# Allegro board TubiiPCB_V6.brd (continued)
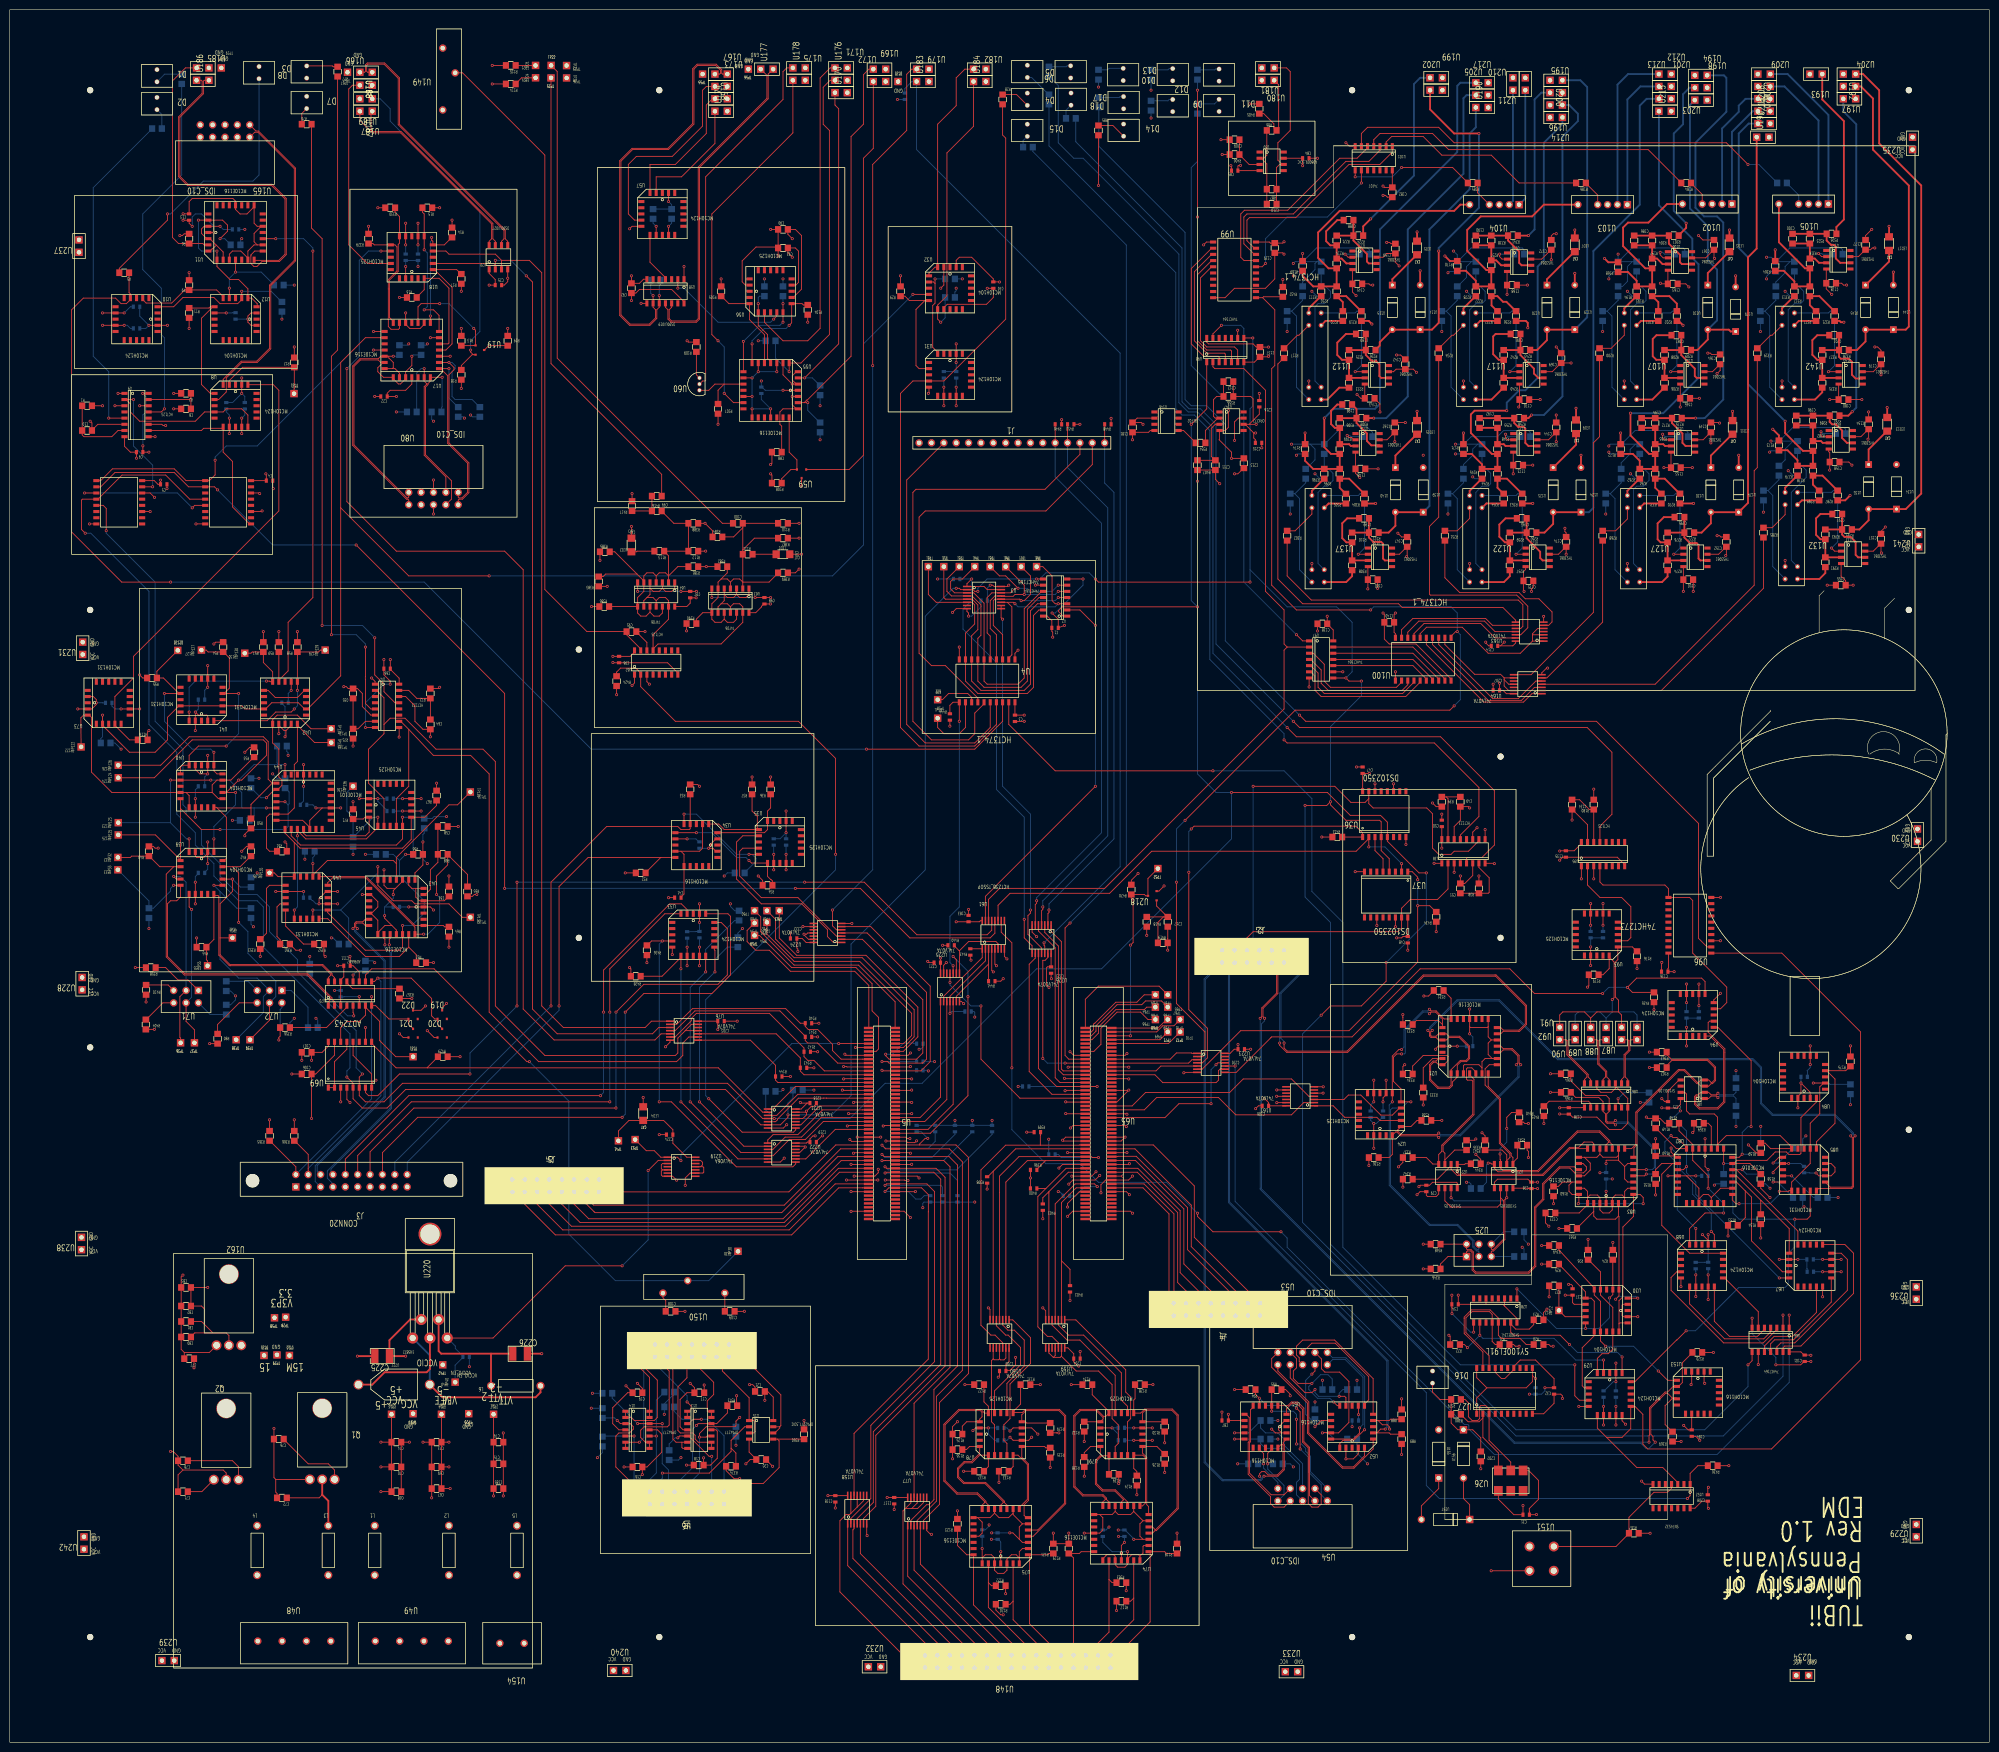
[diagram p0: board, top side]
## Routing (per net, layer and track width the routed paths; a pad name or vN(x,y) marks a point on that pad's centre or on a via; arc(x,y) is an arc through that point) (continued)
; D16.1 292.6,76.7 ; D16.1 291.6,76.7 ; U204.2 379.64,337.99 ; U204.2 378.29,337.99 ; U204.2 378.29,336.64 ; U204.2 379.64,336.64 ; 190.74,298.84 v1(191.13,298.45) ; v1(191.13,298.45) 190.74,298.06 ; v1(191.13,298.45) 191.53,298.06 ; v1(191.13,298.45) 191.53,298.84 ; 171.28,337.91 U170.2 ; U170.2 172.63,339.26 ; U170.2 171.28,339.26 ; U170.2 172.63,337.91 ; v1(53.34,127.76) 53.73,127.37 ; v1(53.34,127.76) 53.73,128.16 ; v1(53.34,127.76) 52.95,128.16 ; v1(53.34,127.76) 52.95,127.37 ; v1(138.95,56.89) 139.34,56.49 ; v1(138.95,56.89) 138.55,57.28 ; v1(138.95,56.89) 138.55,56.49 ; v1(138.95,56.89) 139.34,57.28 ; v1(184.91,138.68) 185.31,139.08 ; v1(184.91,138.68) 184.52,139.08 ; v1(184.91,138.68) 185.31,138.29 ; v1(184.91,138.68) 184.52,138.29 ; D2.1 30.72,338.09 ; D2.1 29.73,337.1 ; D2.1 30.72,337.1 ; D2.1 29.73,338.09 ; v1(373.13,237.49) 373.52,237.88 ; v1(373.13,237.49) 373.52,237.1 ; v1(373.13,237.49) 372.73,237.88 ; v1(373.13,237.49) 372.73,237.1 ; 345.27,341.46 U203.2 ; U203.2 346.62,341.46 ; U203.2 345.27,342.81 ; U203.2 346.62,342.81 ; v1(62.87,148.59) 63.26,148.98 ; v1(62.87,148.59) 62.47,148.98 ; v1(62.87,148.59) 63.26,148.2 ; v1(62.87,148.59) 62.47,148.2 ; U149.1 89.57,335.7 ; U149.1 88.23,334.35 ; U149.1 89.57,334.35 ; U149.1 88.23,335.7 ; v1(265.94,268.73) 266.33,269.13 ; v1(265.94,268.73) 265.54,269.13 ; v1(265.94,268.73) 265.54,268.34 ; v1(265.94,268.73) 266.33,268.34 ; 151.5,73.8 v1(151.89,73.41) ; v1(151.89,73.41) 152.29,73.8 ; v1(151.89,73.41) 151.5,73.01 ; v1(151.89,73.41) 152.29,73.01 ; 35.17,95.49 v1(35.56,95.88) ; v1(35.56,95.88) 35.95,95.49 ; v1(35.56,95.88) 35.17,96.28 ; v1(35.56,95.88) 35.95,96.28 ; 236.59,176.15 v1(236.98,175.75) ; v1(236.98,175.75) 237.38,176.15 ; v1(236.98,175.75) 237.38,175.36 ; v1(236.98,175.75) 236.59,175.36 ; 202.46,15.98 U148.20 ; U148.20 203.81,15.98 ; U148.20 202.46,14.63 ; U148.20 203.81,14.63 ; 338.77,129.83 v1(339.17,130.22) ; v1(339.17,130.22) 339.56,130.62 ; v1(339.17,130.22) 339.56,129.83 ; v1(339.17,130.22) 338.77,130.62 ; D9.2 239.26,334.19 ; D9.2 239.26,335.18 ; D9.2 238.26,334.19 ; D9.2 238.26,335.18 ; 360.29,300.75 v1(360.68,300.36) ; v1(360.68,300.36) 361.07,299.96 ; v1(360.68,300.36) 361.07,300.75 ; v1(360.68,300.36) 360.29,299.96 ; 137.4,235.83 v1(137.8,236.22) ; v1(137.8,236.22) 138.19,235.83 ; v1(137.8,236.22) 137.4,236.61 ; v1(137.8,236.22) 138.19,236.61 ; 390.99,188.13 U230.2 ; U230.2 390.99,186.78 ; U230.2 392.34,188.13 ; U230.2 392.34,186.78 ; 217.39,338.01 D17.1 ; D17.1 218.38,338.01 ; D17.1 218.38,339 ; D17.1 217.39,339 ; v1(315.17,72.77) 315.56,72.37 ; v1(315.17,72.77) 315.56,73.16 ; v1(315.17,72.77) 314.77,72.37 ; v1(315.17,72.77) 314.77,73.16 ; v1(315.98,105.92) 316.37,105.52 ; v1(315.98,105.92) 315.58,105.52 ; v1(315.98,105.92) 315.58,106.31 ; v1(315.98,105.92) 316.37,106.31 ; v1(213.87,156.72) 214.26,157.11 ; v1(213.87,156.72) 213.47,157.11 ; v1(213.87,156.72) 214.26,156.32 ; v1(213.87,156.72) 213.47,156.32 ; J3.19 82.27,113.31 ; J3.19 82.27,114.66 ; J3.19 80.92,113.31 ; J3.19 80.92,114.66 ; 350.84,173.01 v1(351.23,173.4) ; v1(351.23,173.4) 350.84,173.8 ; v1(351.23,173.4) 351.62,173.8 ; v1(351.23,173.4) 351.62,173.01 ; v1(62.87,191.77) 63.26,191.38 ; v1(62.87,191.77) 62.47,191.38 ; v1(62.87,191.77) 63.26,192.16 ; v1(62.87,191.77) 62.47,192.16 ; v1(184.91,107.7) 185.31,107.3 ; v1(184.91,107.7) 184.52,108.09 ; v1(184.91,107.7) 185.31,108.09 ; v1(184.91,107.7) 184.52,107.3 ; 320.64,298.41 321.31,299.08 ; 321.31,299.08 320.64,299.76 ; 321.31,299.08 321.98,299.76 ; 321.31,299.08 321.98,298.41 ; v1(318.21,128.95) 318.6,129.35 ; v1(318.21,128.95) 317.82,129.35 ; v1(318.21,128.95) 317.82,128.56 ; v1(318.21,128.95) 318.6,128.56 ; U208.2 362.12,334.1 ; U208.2 360.77,334.1 ; U208.2 360.77,335.45 ; U208.2 362.12,335.45 ; 102.51,114.83 J5.2 ; J5.2 103.86,114.83 ; J5.2 102.51,116.18 ; J5.2 103.86,116.18 ; 85.97,205.98 v1(86.36,206.38) ; v1(86.36,206.38) 86.75,205.98 ; v1(86.36,206.38) 85.97,206.77 ; v1(86.36,206.38) 86.75,206.77 ; v1(382.27,310.51) 382.66,310.12 ; v1(382.27,310.51) 382.66,310.91 ; v1(382.27,310.51) 381.88,310.91 ; v1(382.27,310.51) 381.88,310.12 ; 345.3,253.88 v1(345.69,254.27) ; v1(345.69,254.27) 345.3,254.66 ; v1(345.69,254.27) 346.09,254.66 ; v1(345.69,254.27) 346.09,253.88 ; v1(229.36,121.03) 229.76,120.64 ; v1(229.36,121.03) 228.97,120.64 ; v1(229.36,121.03) 229.76,121.42 ; v1(229.36,121.03) 228.97,121.42 ; 376.72,298.69 v1(377.11,299.08) ; v1(377.11,299.08) 377.5,299.48 ; v1(377.11,299.08) 377.5,298.69 ; v1(377.11,299.08) 376.72,299.48 ; 286.25,183.88 v1(286.64,184.28) ; v1(286.64,184.28) 287.03,183.88 ; v1(286.64,184.28) 286.25,184.67 ; v1(286.64,184.28) 287.03,184.67 ; TP29.1 55.54,78.83 ; TP29.1 54.19,78.83 ; TP29.1 54.19,80.18 ; TP29.1 55.54,80.18 ; 13.55,307.68 U237.2 ; U237.2 14.9,307.68 ; U237.2 14.9,309.03 ; U237.2 13.55,309.03 ; U191.2 361.86,328.76 ; U191.2 361.86,330.11 ; U191.2 360.51,328.76 ; U191.2 360.51,330.11 ; v1(28.83,252.6) 29.22,253 ; v1(28.83,252.6) 28.44,253 ; v1(28.83,252.6) 28.44,252.21 ; v1(28.83,252.6) 29.22,252.21 ; v1(197.74,63.97) 198.13,63.58 ; v1(197.74,63.97) 198.13,64.37 ; v1(197.74,63.97) 197.35,64.37 ; v1(197.74,63.97) 197.35,63.58 ; v1(363.3,99.11) 363.69,99.5 ; v1(363.3,99.11) 362.9,98.71 ; v1(363.3,99.11) 363.69,98.71 ; v1(363.3,99.11) 362.9,99.5 ; 346.49,276.24 v1(346.89,275.84) ; v1(346.89,275.84) 347.28,276.24 ; v1(346.89,275.84) 346.49,275.45 ; v1(346.89,275.84) 347.28,275.45 ; 340.45,334.1 U215.2 ; U215.2 341.8,335.45 ; U215.2 341.8,334.1 ; U215.2 340.45,335.45 ; 347.59,73.27 v1(347.98,73.66) ; v1(347.98,73.66) 348.37,73.27 ; v1(347.98,73.66) 347.59,74.05 ; v1(347.98,73.66) 348.37,74.05 ; 340.45,340.53 U212.2 ; U212.2 341.8,339.18 ; U212.2 341.8,340.53 ; U212.2 340.45,339.18 ; U231.2 15.66,225.13 ; U231.2 15.66,226.48 ; U231.2 14.31,226.48 ; U231.2 14.31,225.13 ; v1(71.37,79.25) 71.77,79.64 ; v1(71.37,79.25) 70.98,79.64 ; v1(71.37,79.25) 70.98,78.85 ; v1(71.37,79.25) 71.77,78.85 ; v1(126.12,56.5) 126.51,56.11 ; v1(126.12,56.5) 126.51,56.9 ; v1(126.12,56.5) 125.73,56.11 ; v1(126.12,56.5) 125.73,56.9 ; 256.15,277.25 v1(256.54,276.86) ; v1(256.54,276.86) 256.15,276.47 ; v1(256.54,276.86) 256.93,276.47 ; v1(256.54,276.86) 256.93,277.25 ; 310.28,48.19 v1(310.67,48.59) ; v1(310.67,48.59) 311.07,48.19 ; v1(310.67,48.59) 310.28,48.98 ; v1(310.67,48.59) 311.07,48.98 ; 197.38,15.98 U148.24 ; U148.24 198.73,15.98 ; U148.24 197.38,14.63 ; U148.24 198.73,14.63 ; v1(59.69,162.56) 60.08,162.95 ; v1(59.69,162.56) 59.3,162.17 ; v1(59.69,162.56) 59.3,162.95 ; v1(59.69,162.56) 60.08,162.17 ; 181.7,341.54 TP18.1 ; TP18.1 183.05,340.19 ; TP18.1 181.7,340.19 ; TP18.1 183.05,341.54 ; 201.21,43.37 v1(201.6,42.98) ; v1(201.6,42.98) 201.99,42.58 ; v1(201.6,42.98) 201.21,42.58 ; v1(201.6,42.98) 201.99,43.37 ; 78.35,173.6 v1(78.74,173.99) ; v1(78.74,173.99) 79.13,174.38 ; v1(78.74,173.99) 78.35,174.38 ; v1(78.74,173.99) 79.13,173.6 ; U199.2 294.81,338.42 ; U199.2 294.81,339.76 ; U199.2 293.46,339.76 ; U199.2 293.46,338.42 ; v1(109.22,79.76) 109.61,79.36 ; v1(109.22,79.76) 108.83,80.15 ; v1(109.22,79.76) 109.61,80.15 ; v1(109.22,79.76) 108.83,79.36 ; v1(33.02,59.69) 33.41,59.3 ; v1(33.02,59.69) 32.63,60.08 ; v1(33.02,59.69) 33.41,60.08 ; v1(33.02,59.69) 32.63,59.3 ; v1(254.52,336.28) 254.92,335.89 ; v1(254.52,336.28) 254.13,335.89 ; v1(254.52,336.28) 254.92,336.67 ; v1(254.52,336.28) 254.13,336.67 ; 324.17,162.85 v1(324.56,163.24) ; v1(324.56,163.24) 324.95,162.85 ; v1(324.56,163.24) 324.17,163.64 ; v1(324.56,163.24) 324.95,163.64 ; 216.78,121.42 v1(217.17,121.03) ; v1(217.17,121.03) 216.78,120.64 ; v1(217.17,121.03) 217.56,121.42 ; v1(217.17,121.03) 217.56,120.64 ; 40.25,198.36 v1(40.64,198.75) ; v1(40.64,198.75) 40.25,199.15 ; v1(40.64,198.75) 41.03,198.36 ; v1(40.64,198.75) 41.03,199.15 ; v1(377.82,255.91) 378.22,256.3 ; v1(377.82,255.91) 377.43,255.51 ; v1(377.82,255.91) 377.43,256.3 ; v1(377.82,255.91) 378.22,255.51 ; 296.42,264.04 v1(296.81,264.43) ; v1(296.81,264.43) 297.21,264.04 ; v1(296.81,264.43) 296.42,264.82 ; v1(296.81,264.43) 297.21,264.82 ; v1(86.61,50.16) 87.01,49.77 ; v1(86.61,50.16) 86.22,50.56 ; v1(86.61,50.16) 87.01,50.56 ; v1(86.61,50.16) 86.22,49.77 ; 331.33,64.88 v1(331.72,65.28) ; v1(331.72,65.28) 332.12,65.67 ; v1(331.72,65.28) 331.33,65.67 ; v1(331.72,65.28) 332.12,64.88 ; v1(216.79,129.03) 217.18,129.43 ; v1(216.79,129.03) 216.4,128.64 ; v1(216.79,129.03) 216.4,129.43 ; v1(216.79,129.03) 217.18,128.64 ; 86.6,259.47 v1(87,259.08) ; v1(87,259.08) 87.39,258.69 ; v1(87,259.08) 87.39,259.47 ; v1(87,259.08) 86.6,258.69 ; 74.28,285.36 v1(74.68,285.75) ; v1(74.68,285.75) 74.28,286.14 ; v1(74.68,285.75) 75.07,285.36 ; v1(74.68,285.75) 75.07,286.14 ; 336.38,43.29 v1(336.77,42.9) ; v1(336.77,42.9) 337.17,42.5 ; v1(336.77,42.9) 336.38,42.5 ; v1(336.77,42.9) 337.17,43.29 ; v1(76.81,222.22) 77.2,222.62 ; v1(76.81,222.22) 76.42,222.62 ; v1(76.81,222.22) 77.2,221.83 ; v1(76.81,222.22) 76.42,221.83 ; v1(156.61,56.64) 157,57.04 ; v1(156.61,56.64) 156.22,56.25 ; v1(156.61,56.64) 157,56.25 ; v1(156.61,56.64) 156.22,57.04 ; v1(119.4,68.56) 119.79,68.96 ; v1(119.4,68.56) 119,68.17 ; v1(119.4,68.56) 119,68.96 ; v1(119.4,68.56) 119.79,68.17 ; v1(120.65,58.42) 121.04,58.81 ; v1(120.65,58.42) 121.04,58.03 ; v1(120.65,58.42) 120.26,58.03 ; v1(120.65,58.42) 120.26,58.81 ; 193.92,287.41 v1(194.31,287.02) ; v1(194.31,287.02) 194.7,287.41 ; v1(194.31,287.02) 193.92,286.63 ; v1(194.31,287.02) 194.7,286.63 ; v1(332.1,297.81) 332.5,298.21 ; v1(332.1,297.81) 331.71,298.21 ; v1(332.1,297.81) 332.5,297.42 ; v1(332.1,297.81) 331.71,297.42 ; v1(262.89,252.1) 263.28,251.7 ; v1(262.89,252.1) 262.5,251.7 ; v1(262.89,252.1) 263.28,252.49 ; v1(262.89,252.1) 262.5,252.49 ; v1(289.31,114.05) 289.7,113.65 ; v1(289.31,114.05) 288.91,113.65 ; v1(289.31,114.05) 288.91,114.44 ; v1(289.31,114.05) 289.7,114.44 ; 162.18,257.43 v1(162.57,257.82) ; v1(162.57,257.82) 162.18,258.22 ; v1(162.57,257.82) 162.97,258.22 ; v1(162.57,257.82) 162.97,257.43 ; 172.83,131.71 v1(173.23,131.32) ; v1(173.23,131.32) 172.83,130.92 ; v1(173.23,131.32) 173.62,130.92 ; v1(173.23,131.32) 173.62,131.71 ; v1(169.49,48.08) 169.89,48.48 ; v1(169.49,48.08) 169.1,48.48 ; v1(169.49,48.08) 169.1,47.69 ; v1(169.49,48.08) 169.89,47.69 ; 159.88,165.72 v1(160.27,166.12) ; v1(160.27,166.12) 159.88,166.51 ; v1(160.27,166.12) 160.67,165.72 ; v1(160.27,166.12) 160.67,166.51 ; v1(317.5,309.63) 317.89,310.02 ; v1(317.5,309.63) 317.11,310.02 ; v1(317.5,309.63) 317.89,309.23 ; v1(317.5,309.63) 317.11,309.23 ; 310.48,342.3 U210.2 ; U210.2 311.82,342.3 ; U210.2 311.82,340.96 ; U210.2 310.48,340.96 ; 376.16,291.86 v1(376.55,291.47) ; v1(376.55,291.47) 376.95,291.86 ; v1(376.55,291.47) 376.16,291.07 ; v1(376.55,291.47) 376.95,291.07 ; 381.24,272.66 v1(381.63,273.05) ; v1(381.63,273.05) 382.03,272.66 ; v1(381.63,273.05) 381.24,273.44 ; v1(381.63,273.05) 382.03,273.44 ; v1(229.74,138.56) 230.14,138.16 ; v1(229.74,138.56) 229.35,138.16 ; v1(229.74,138.56) 229.35,138.95 ; v1(229.74,138.56) 230.14,138.95 ; v1(51.82,252.73) 52.21,252.34 ; v1(51.82,252.73) 51.42,252.34 ; v1(51.82,252.73) 51.42,253.12 ; v1(51.82,252.73) 52.21,253.12 ; 152.01,274.08 v1(152.4,273.69) ; v1(152.4,273.69) 152.79,274.08 ; v1(152.4,273.69) 152.79,273.29 ; v1(152.4,273.69) 152.01,273.29 ; 259.71,132.98 v1(260.1,132.58) ; v1(260.1,132.58) 260.49,132.98 ; v1(260.1,132.58) 260.49,132.19 ; v1(260.1,132.58) 259.71,132.19 ; 317.11,286.78 v1(317.5,286.38) ; v1(317.5,286.38) 317.89,285.99 ; v1(317.5,286.38) 317.11,285.99 ; v1(317.5,286.38) 317.89,286.78 ; 366.71,98.71 v1(367.11,99.11) ; v1(367.11,99.11) 367.5,99.5 ; v1(367.11,99.11) 367.5,98.71 ; v1(367.11,99.11) 366.71,99.5 ; 29.73,343.81 D1.1 ; D1.1 29.73,342.82 ; D1.1 30.72,343.81 ; D1.1 30.72,342.82 ; 229.35,135.75 v1(229.74,136.14) ; v1(229.74,136.14) 230.14,136.54 ; v1(229.74,136.14) 229.35,136.54 ; v1(229.74,136.14) 230.14,135.75 ; v1(47.62,280.04) 48.02,280.43 ; v1(47.62,280.04) 47.23,280.43 ; v1(47.62,280.04) 48.02,279.64 ; v1(47.62,280.04) 47.23,279.64 ; v1(142.57,73.33) 142.97,72.93 ; v1(142.57,73.33) 142.18,72.93 ; v1(142.57,73.33) 142.97,73.72 ; v1(142.57,73.33) 142.18,73.72 ; 171.28,341.8 U171.2 ; U171.2 172.63,341.8 ; U171.2 172.63,340.45 ; U171.2 171.28,340.45 ; v1(59.96,139.97) 60.35,140.36 ; v1(59.96,139.97) 59.57,140.36 ; v1(59.96,139.97) 60.35,139.58 ; v1(59.96,139.97) 59.57,139.58 ; 386.32,302.15 v1(386.71,301.75) ; v1(386.71,301.75) 386.32,301.36 ; v1(386.71,301.75) 387.11,302.15 ; v1(386.71,301.75) 387.11,301.36 ; 184.52,141.08 v1(184.91,141.48) ; v1(184.91,141.48) 184.52,141.87 ; v1(184.91,141.48) 185.31,141.87 ; v1(184.91,141.48) 185.31,141.08 ; 74.79,135.5 v1(75.18,135.89) ; v1(75.18,135.89) 74.79,136.28 ; v1(75.18,135.89) 75.58,135.5 ; v1(75.18,135.89) 75.58,136.28 ; 250.98,86.89 J4.6 ; J4.6 252.32,88.24 ; J4.6 250.98,88.24 ; J4.6 252.32,86.89 ; v1(150.82,88.45) 151.22,88.84 ; v1(150.82,88.45) 150.43,88.84 ; v1(150.82,88.45) 150.43,88.05 ; v1(150.82,88.45) 151.22,88.05 ; 228.18,332.63 D14.1 ; D14.1 229.17,331.64 ; D14.1 228.18,331.64 ; D14.1 229.17,332.63 ; v1(257.05,265.68) 257.44,266.08 ; v1(257.05,265.68) 256.65,266.08 ; v1(257.05,265.68) 257.44,265.29 ; v1(257.05,265.68) 256.65,265.29 ; 217.31,341.1 D6.1 ; D6.1 217.31,342.09 ; D6.1 218.3,342.09 ; D6.1 218.3,341.1 ; 184.77,130.92 v1(185.17,131.32) ; v1(185.17,131.32) 184.77,131.71 ; v1(185.17,131.32) 185.56,130.92 ; v1(185.17,131.32) 185.56,131.71 ; TP23.1 115,343.47 ; TP23.1 113.65,344.82 ; TP23.1 115,344.82 ; TP23.1 113.65,343.47 ; U180.2 257.72,341.8 ; U180.2 256.37,341.8 ; U180.2 257.72,340.45 ; U180.2 256.37,340.45 ; 148.96,147.61 v1(149.35,148.01) ; v1(149.35,148.01) 149.75,147.61 ; v1(149.35,148.01) 148.96,148.4 ; v1(149.35,148.01) 149.75,148.4 ; U206.2 359.58,341.72 ; U206.2 359.58,343.07 ; U206.2 358.23,343.07 ; U206.2 358.23,341.72 ; 312.28,262.52 v1(312.67,262.13) ; v1(312.67,262.13) 312.28,261.73 ; v1(312.67,262.13) 313.07,262.52 ; v1(312.67,262.13) 313.07,261.73 ; v1(329.75,77.82) 330.14,78.21 ; v1(329.75,77.82) 330.14,77.43 ; v1(329.75,77.82) 329.35,78.21 ; v1(329.75,77.82) 329.35,77.43 ; v1(149.1,60.96) 149.49,61.35 ; v1(149.1,60.96) 148.7,60.57 ; v1(149.1,60.96) 149.49,60.57 ; v1(149.1,60.96) 148.7,61.35 ; 171.56,126.89 v1(171.96,126.49) ; v1(171.96,126.49) 171.56,126.1 ; v1(171.96,126.49) 172.35,126.89 ; v1(171.96,126.49) 172.35,126.1 ; 313.27,114.03 v1(313.66,113.64) ; v1(313.66,113.64) 314.06,113.25 ; v1(313.66,113.64) 313.27,113.25 ; v1(313.66,113.64) 314.06,114.03 ; v1(339.17,160.07) 339.56,159.67 ; v1(339.17,160.07) 338.77,159.67 ; v1(339.17,160.07) 339.56,160.46 ; v1(339.17,160.07) 338.77,160.46 ; v1(219.76,80.21) 220.15,80.61 ; v1(219.76,80.21) 219.37,80.61 ; v1(219.76,80.21) 219.37,79.82 ; v1(219.76,80.21) 220.15,79.82 ; v1(83.82,302.89) 84.21,303.29 ; v1(83.82,302.89) 84.21,302.5 ; v1(83.82,302.89) 83.43,302.5 ; v1(83.82,302.89) 83.43,303.29 ; v1(78.11,217.17) 78.5,216.78 ; v1(78.11,217.17) 77.71,216.78 ; v1(78.11,217.17) 77.71,217.56 ; v1(78.11,217.17) 78.5,217.56 ; v1(299.72,150.5) 300.11,150.89 ; v1(299.72,150.5) 300.11,150.1 ; v1(299.72,150.5) 299.33,150.89 ; v1(299.72,150.5) 299.33,150.1 ; v1(330.71,268.73) 331.1,268.34 ; v1(330.71,268.73) 331.1,269.13 ; v1(330.71,268.73) 330.31,268.34 ; v1(330.71,268.73) 330.31,269.13 ; 31.99,290.44 v1(32.39,290.83) ; v1(32.39,290.83) 31.99,291.22 ; v1(32.39,290.83) 32.78,291.22 ; v1(32.39,290.83) 32.78,290.44 ; 280.53,260.97 v1(280.92,261.37) ; v1(280.92,261.37) 281.32,260.97 ; v1(280.92,261.37) 281.32,261.76 ; v1(280.92,261.37) 280.53,261.76 ; v1(210.82,165.35) 211.21,164.96 ; v1(210.82,165.35) 210.43,165.75 ; v1(210.82,165.35) 210.43,164.96 ; v1(210.82,165.35) 211.21,165.75 ; 273.93,327.9 v1(274.32,328.3) ; v1(274.32,328.3) 274.71,327.9 ; v1(274.32,328.3) 274.71,328.69 ; v1(274.32,328.3) 273.93,328.69 ; 275.83,179.08 v1(276.22,178.69) ; v1(276.22,178.69) 276.62,178.3 ; v1(276.22,178.69) 275.83,178.3 ; v1(276.22,178.69) 276.62,179.08 ; 110.13,116.18 J5.8 ; J5.8 110.13,114.83 ; J5.8 111.48,114.83 ; J5.8 111.48,116.18 ; v1(119.63,71.63) 120.03,72.02 ; v1(119.63,71.63) 120.03,71.23 ; v1(119.63,71.63) 119.24,72.02 ; v1(119.63,71.63) 119.24,71.23 ; 47.23,277.25 v1(47.62,276.86) ; v1(47.62,276.86) 47.23,276.47 ; v1(47.62,276.86) 48.02,276.47 ; v1(47.62,276.86) 48.02,277.25 ; 210.08,14.63 U148.14 ; U148.14 211.43,15.98 ; U148.14 210.08,15.98 ; U148.14 211.43,14.63 ; 307.94,340.96 U211.2 ; U211.2 309.28,340.96 ; U211.2 307.94,342.3 ; U211.2 309.28,342.3 ; J3.3 61.95,114.66 ; J3.3 61.95,113.31 ; J3.3 60.6,113.31 ; J3.3 60.6,114.66 ; 35.19,314.11 v1(35.59,313.72) ; v1(35.59,313.72) 35.98,313.32 ; v1(35.59,313.72) 35.19,313.32 ; v1(35.59,313.72) 35.98,314.11 ; 25.39,159.4 v1(25.78,159) ; v1(25.78,159) 25.39,158.61 ; v1(25.78,159) 26.17,159.4 ; v1(25.78,159) 26.17,158.61 ; U165.6 44.87,328.76 ; U165.6 43.52,330.11 ; U165.6 44.87,330.11 ; U165.6 43.52,328.76 ; v1(171.2,138.68) 171.59,138.29 ; v1(171.2,138.68) 170.8,139.08 ; v1(171.2,138.68) 170.8,138.29 ; v1(171.2,138.68) 171.59,139.08 ; v1(55.25,144.15) 55.64,144.54 ; v1(55.25,144.15) 54.85,143.75 ; v1(55.25,144.15) 55.64,143.75 ; v1(55.25,144.15) 54.85,144.54 ; v1(335.03,53.59) 335.42,53.2 ; v1(335.03,53.59) 334.63,53.2 ; v1(335.03,53.59) 334.63,53.99 ; v1(335.03,53.59) 335.42,53.99 ; 350.13,248.04 v1(350.52,247.65) ; v1(350.52,247.65) 350.91,247.26 ; v1(350.52,247.65) 350.91,248.04 ; v1(350.52,247.65) 350.13,247.26 ; v1(344.25,142.92) 344.64,142.53 ; v1(344.25,142.92) 343.85,143.32 ; v1(344.25,142.92) 343.85,142.53 ; v1(344.25,142.92) 344.64,143.32 ; 279.64,121.53 v1(280.03,121.92) ; v1(280.03,121.92) 280.43,122.31 ; v1(280.03,121.92) 280.43,121.53 ; v1(280.03,121.92) 279.64,122.31 ; v1(348.61,285.12) 349.01,285.51 ; v1(348.61,285.12) 348.22,284.72 ; v1(348.61,285.12) 349.01,284.72 ; v1(348.61,285.12) 348.22,285.51 ; 280.91,273.44 v1(281.3,273.05) ; v1(281.3,273.05) 281.7,272.66 ; v1(281.3,273.05) 280.91,272.66 ; v1(281.3,273.05) 281.7,273.44 ; 125.82,15.41 U240.2 ; U240.2 127.17,15.41 ; U240.2 125.82,14.06 ; U240.2 127.17,14.06 ; U185.2 41.57,342.99 ; U185.2 40.22,344.34 ; U185.2 40.22,342.99 ; U185.2 41.57,344.34 ; 134.23,142.35 v1(134.62,142.75) ; v1(134.62,142.75) 134.23,143.14 ; v1(134.62,142.75) 135.01,142.35 ; v1(134.62,142.75) 135.01,143.14 ; v1(261.62,305.44) 262.01,305.83 ; v1(261.62,305.44) 261.23,305.04 ; v1(261.62,305.44) 261.23,305.83 ; v1(261.62,305.44) 262.01,305.04 ; 258.05,284.09 v1(258.44,284.48) ; v1(258.44,284.48) 258.05,284.87 ; v1(258.44,284.48) 258.84,284.09 ; v1(258.44,284.48) 258.84,284.87 ; 377.81,262.52 v1(378.21,262.13) ; v1(378.21,262.13) 378.6,261.73 ; v1(378.21,262.13) 377.81,261.73 ; v1(378.21,262.13) 378.6,262.52 ; 81.65,61.2 v1(82.04,61.59) ; v1(82.04,61.59) 81.65,61.99 ; v1(82.04,61.59) 82.44,61.2 ; v1(82.04,61.59) 82.44,61.99 ; 315.56,336.72 U196.2 ; U196.2 316.9,336.72 ; U196.2 315.56,335.37 ; U196.2 316.9,335.37 ; 57.52,137.55 v1(57.91,137.16) ; v1(57.91,137.16) 58.31,137.55 ; v1(57.91,137.16) 57.52,136.77 ; v1(57.91,137.16) 58.31,136.77 ; v1(123.83,221.62) 124.22,221.22 ; v1(123.83,221.62) 124.22,222.01 ; v1(123.83,221.62) 123.43,221.22 ; v1(123.83,221.62) 123.43,222.01 ; 312.03,235.83 v1(312.42,236.22) ; v1(312.42,236.22) 312.03,236.61 ; v1(312.42,236.22) 312.81,236.61 ; v1(312.42,236.22) 312.81,235.83 ; U238.2 15.41,102.96 ; U238.2 14.06,104.31 ; U238.2 14.06,102.96 ; U238.2 15.41,104.31 ; 229.48,112.79 v1(229.87,112.4) ; v1(229.87,112.4) 230.26,112 ; v1(229.87,112.4) 230.26,112.79 ; v1(229.87,112.4) 229.48,112 ; U200.2 316.9,340.45 ; U200.2 315.56,340.45 ; U200.2 316.9,341.8 ; U200.2 315.56,341.8 ; U129.2 355.64,260.95 ; U129.2 355.64,262.29 ; U129.2 354.29,260.95 ; U129.2 354.29,262.29 ; U148.32 188.57,15.98 ; U148.32 187.22,15.98 ; U148.32 188.57,14.63 ; U148.32 187.22,14.63 ; J5.4 106.4,116.18 ; J5.4 105.05,114.83 ; J5.4 106.4,114.83 ; J5.4 105.05,116.18 ; 217.39,125.69 v1(217.78,126.08) ; v1(217.78,126.08) 217.39,126.47 ; v1(217.78,126.08) 218.18,125.69 ; v1(217.78,126.08) 218.18,126.47 ; 149.47,54.5 v1(149.86,54.1) ; v1(149.86,54.1) 150.25,53.71 ; v1(149.86,54.1) 149.47,53.71 ; v1(149.86,54.1) 150.25,54.5 ; v1(369.77,78.15) 370.17,77.76 